# KiCad board panel.kicad_pcb (continued)
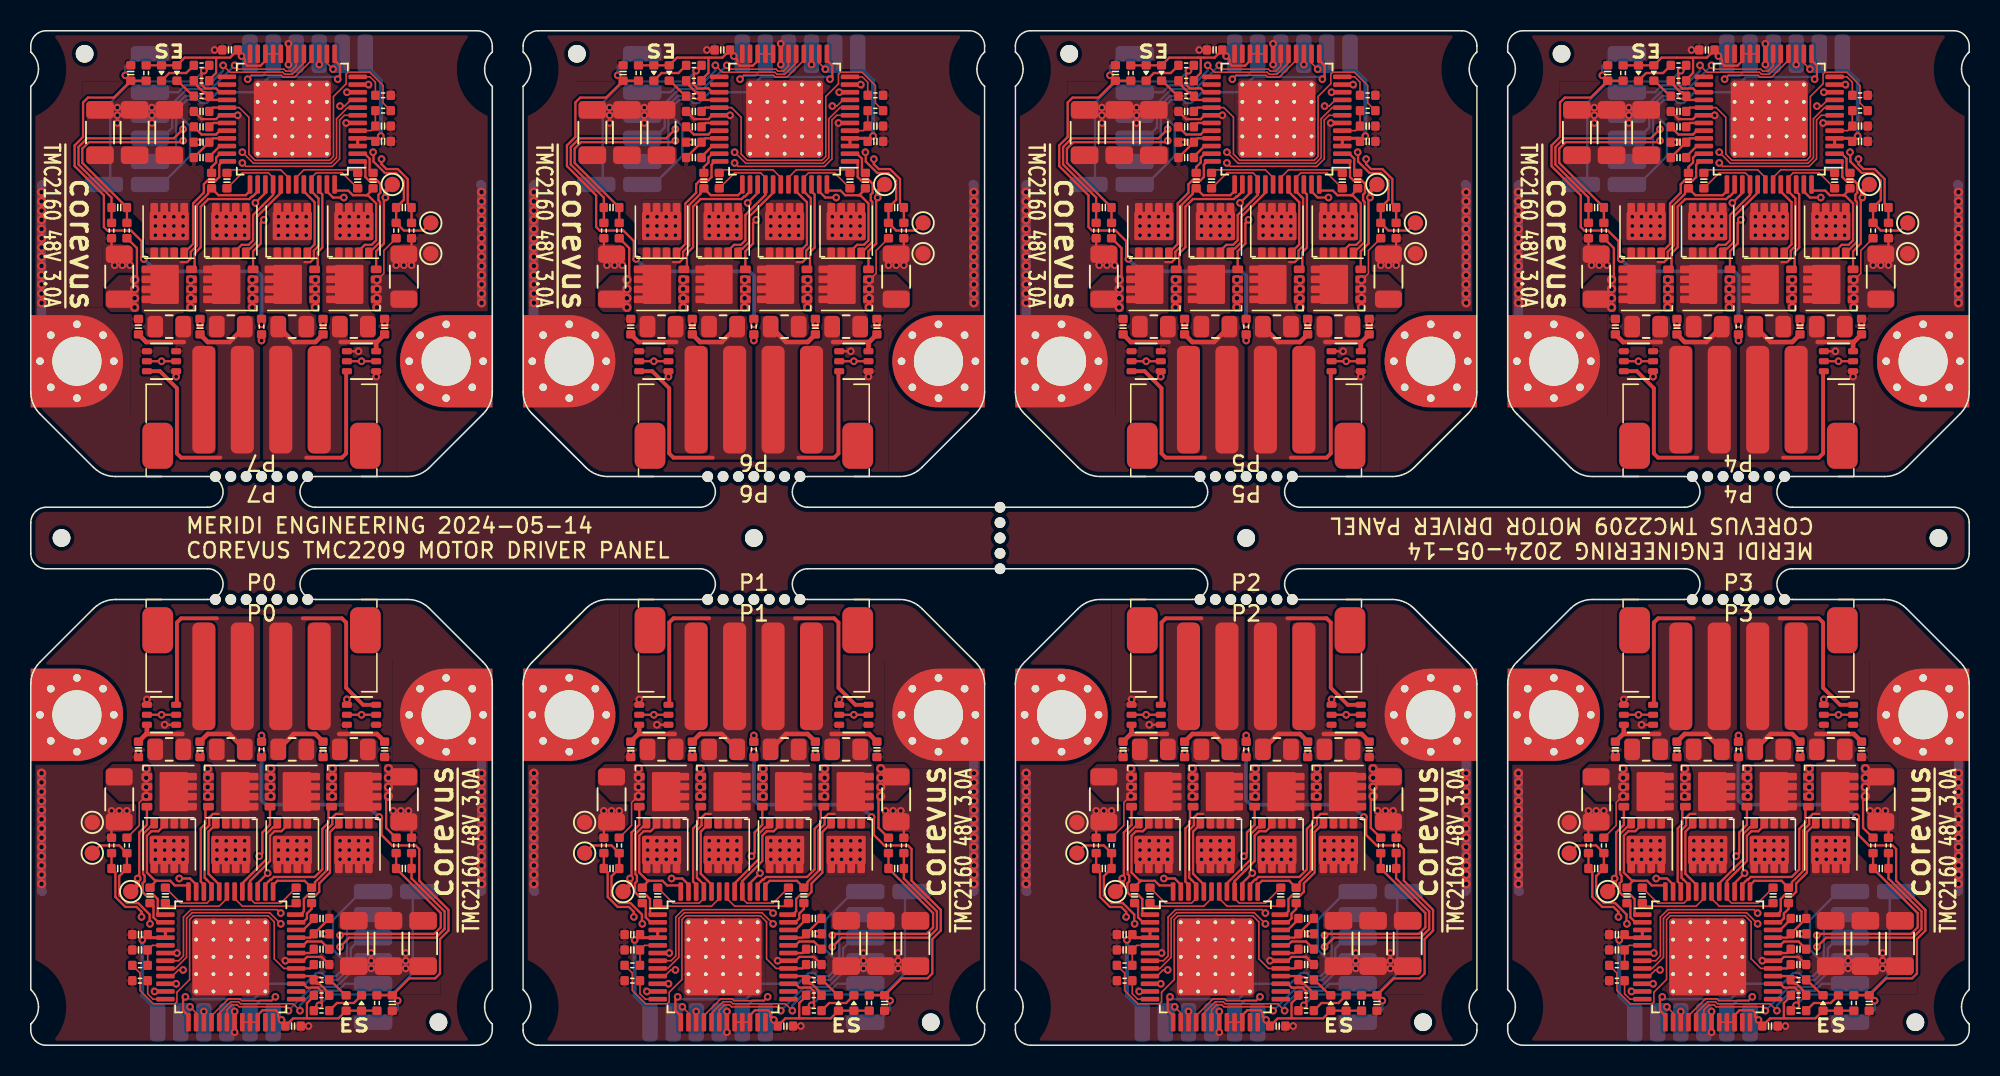
[diagram p0: board, top side]
## Nets (continued)
Board_7-+12V: C6#8.1 T3#4.1 U1.3 U1.4
Board_7-+48V: C1#2.2 C7#8.1 C12.1 C14#2.1 C15.1 D3#4.2 D3#4.5 D4#3.2 D4#3.5 H1#3.1 Q1.5 Q1.6 Q1.7 Q1.8 Q3#4.5 Q3#4.6 Q3#4.7 Q3#4.8 Q5#8.5 Q5#8.6 Q5#8.7 Q5#8.8 Q7.5 Q7.6 Q7.7 Q7.8 U1.33
Board_7-/A1: C10.2 FB2#4.2 Q5#8.1 Q5#8.2 Q5#8.3 Q6#6.5 Q6#6.6 Q6#6.7 Q6#6.8 U1.40
Board_7-/A1': C17.2 D4#3.6 FB2#4.1 J1#3.2
Board_7-/A2: C11#3.2 FB1#5.2 Q7.1 Q7.2 Q7.3 Q8#4.5 Q8#4.6 Q8#4.7 Q8#4.8 U1.37
Board_7-/A2': C16.2 D4#3.3 FB1#5.1 J1#3.1
Board_7-/B1: C8.2 FB4#4.2 Q1.1 Q1.2 Q1.3 Q2#8.5 Q2#8.6 Q2#8.7 Q2#8.8 U1.48
Board_7-/B1': C19#2.2 D3#4.3 FB4#4.1 J1#3.4
Board_7-/B2: C9#3.2 FB3#2.2 Q3#4.1 Q3#4.2 Q3#4.3 Q4#8.5 Q4#8.6 Q4#8.7 Q4#8.8 U1.45
Board_7-/B2': C18#3.2 D3#4.6 FB3#2.1 J1#3.3
Board_7-/Clk: R3#2.1 U1.12
Board_7-/Diag0: U1.26
Board_7-/Diag1: R16#5.2 T17#3.1 U1.27
Board_7-/Dir: T13#6.1 U1.18
Board_7-/HA1: Q5#8.4 U1.41
Board_7-/HA2: Q7.4 U1.36
Board_7-/HB1: Q1.4 U1.1
Board_7-/HB2: Q3#4.4 U1.44
Board_7-/LA1: Q6#6.4 U1.39
Board_7-/LA2: Q8#4.4 U1.38
Board_7-/LB1: Q2#8.4 TP3#8.1 U1.47
Board_7-/LB2: Q4#8.4 U1.46
Board_7-/SCK: T4#3.1 U1.14
Board_7-/SDI: T6#4.1 U1.15
Board_7-/SDO: T7.1 U1.16
Board_7-/SRAH: C21#7.2 R11#4.2 U1.8
Board_7-/SRAL: C21#7.1 R12.2 U1.7
Board_7-/SRBH: C20#5.2 R8#7.2 TP4#6.1 U1.9
Board_7-/SRBL: C20#5.1 R9#3.2 U1.10
Board_7-/Step: T11#7.1 U1.17
Board_7-/THERM: C13#5.1 R20#4.1 T9#2.1 TH1#2.1
Board_7-/~{CS}: T10#3.1 U1.13
Board_7-/~{En}: R1#4.2 R2#6.2 T14#3.1 U1.28
Board_7-GND: C3#7.1 C4.1 C5#4.1 C6#8.2 C7#8.2 C12.2 C13#5.2 C14#2.2 C15.2 C16.1 C17.1 C18#3.1 C19#2.1 D3#4.1 D3#4.4 D4#3.1 D4#3.4 H2#8.1 R3#2.2 R9#3.1 R10#4.2 R12.1 R13#6.2 T5#2.1 T12#4.1 TH1#2.2 TP2#8.1 U1.6 U1.11 U1.19 U1.30 U1.49
Board_7-Net-(D1-K): D1#8.1 R1#4.1
Board_7-Net-(D2-K): D2#4.1 R16#5.1
Board_7-Net-(Q2-S-Pad1): Q2#8.1 Q2#8.2 Q2#8.3 Q4#8.1 Q4#8.2 Q4#8.3 R8#7.1 R10#4.1
Board_7-Net-(Q6-S-Pad1): Q6#6.1 Q6#6.2 Q6#6.3 Q8#4.1 Q8#4.2 Q8#4.3 R11#4.1 R13#6.1
Board_7-Net-(U1-5VOUT): C4.2 R4#5.1 U1.5
Board_7-Net-(U1-CA1): C10.1 U1.42
Board_7-Net-(U1-CA2): C11#3.1 U1.35
Board_7-Net-(U1-CB1): C8.1 U1.2
Board_7-Net-(U1-CB2): C9#3.1 U1.43
Board_7-Net-(U1-CPI): C2.2 U1.32
Board_7-Net-(U1-CPO): C2.1 U1.31
Board_7-Net-(U1-VCC): C5#4.2 R4#5.2 U1.29
Board_7-Net-(U1-VCP): C1#2.1 U1.34
Board_7-unconnected-(U1-DCEN_CFG4-Pad23): U1.23
Board_7-unconnected-(U1-DCIN_CFG5-Pad24): U1.24
Board_7-unconnected-(U1-DCO_CFG6-Pad25): U1.25
Board_7-VCC: C3#7.2 D1#8.2 D2#4.2 R2#6.1 R20#4.2 T8#4.1 U1.20 U1.21 U1.22

Pads without a net: J1 5 6; J1#2 5 6; J1#3 5 6; J1#4 5 6; J1#5 5 6; J1#6 5 6; J1#7 5 6; J1#8 5 6

## Via types
v1: diameter 0.5, hole 0.25, Top to Bottom, 808 vias
v2: diameter 0.6, hole 0.3, Top to Bottom, 368 vias

## Routing (per net, layer and track width the routed paths; a pad name or vN(x,y) marks a point on that pad's centre or on a via; arc(x,y) is an arc through that point)
Board_0-+12V: length 8
  Top w0.2: U1#8.3 U1#8.4 7.8,7 C6#6.1 v1(7.25,6.85)
  Bottom w0.25: v1(7.25,6.85) 7.25,3.25 8.25,2.25 T3#7.1
Board_0-+48V: length 6.5
  Top w0.15: D3#7.5 v1(8.5,21.5) D3#7.2 ; U1#8.33 18.15,7 C7.1 C1.2 ; D4#6.2 v1(21.5,21.5) D4#6.5
  vias: v1(8.1,13.3) v1(8.1,12.7) v1(8.1,12.1) v1(8.7,13.3) v1(8.7,12.7) v1(8.7,12.1) v1(9.3,13.3) v1(9.3,12.7) v1(9.3,12.1) v1(9.9,13.3) v1(9.9,12.7) v1(9.9,12.1) v1(12.1,13.3) v1(12.1,12.7) v1(12.1,12.1) v1(12.7,13.3) v1(12.7,12.7) v1(12.7,12.1) v1(13.3,13.3) v1(13.3,12.7) v1(13.3,12.1) v1(13.9,13.3) v1(13.9,12.7) v1(13.9,12.1) v1(16.1,13.3) v1(16.1,12.7) v1(16.1,12.1) v1(16.7,13.3) v1(16.7,12.7) v1(16.7,12.1) v1(17.3,13.3) v1(17.3,12.7) v1(17.3,12.1) v1(17.9,13.3) v1(17.9,12.7) v1(17.9,12.1) v1(20.1,13.3) v1(20.1,12.7) v1(20.1,12.1) v1(20.7,13.3) v1(20.7,12.7) v1(20.7,12.1) v1(21.3,13.3) v1(21.3,12.7) v1(21.3,12.1) v1(21.9,13.3) v1(21.9,12.7) v1(21.9,12.1)
Board_0-/A1: length 9.7
  Top w0.1: U1#8.40 14.25,9.55 14.55,9.25 16.25,9.25 C10#5.2
  Top w0.15: Q5#5.3 16.67,14.31 16.29,13.92 15.84,13.92 15.55,13.64 15.55,11.99 14.95,11.39 14.95,11.38 14.25,10.68 U1#8.40
Board_0-/A1': length 13.1
  Top w0.25: D4#6.6 21.6,22.15 21.05,22.7 21.05,22.71 20.5,23.26 20.5,27.5 20.22,27.77 17.67,27.77
  Top w0.3: FB2#6.1 17.09,20.25 18.5,20.25 C17#2.2
Board_0-/A2: length 9.1
  Top w0.15: U1#8.37 15.75,10.42 16.03,10.7 17.8,10.7 C11#7.2 18.47,10.47 18.47,10.61 19.2,11.34 19.2,13.98 19.6,14.38 19.6,14.82 19.83,15.05 20.25,15.05
Board_0-/A2': length 3.2
  Top w0.3: C16#4.2 22.5,20.25 20.05,20.25
Board_0-/B1: length 7.7
  Top w0.15: 8.2,10.7 8.15,10.7 7.75,10.3 C8#8.2 ; 8.2,10.7 8.09,10.7 7.55,11.24 7.55,13.64 7.84,13.92 8.29,13.92 8.67,14.31 Q1#4.3 ; 8.2,10.7 9.06,10.7 9.36,10.4 10.25,10.4
Board_0-/B1': length 3.7
  Top w0.3: C19#8.2 7.5,20.25 9.85,20.25 ; D3#7.3 7.55,20.25
Board_0-/B2: length 9.8
  Top w0.1: C9.2 9.75,9.25 11.45,9.25 11.75,9.55 U1#8.45
  Top w0.15: U1#8.45 11.75,10.45 11.43,10.77 11.42,10.77 11.3,10.9 11.3,14 11.6,14.3 11.6,14.81 11.84,15.05 12.2,15.05
Board_0-/B2': length 11.6
  Top w0.25: D3#7.6 9.5,22.2 9.5,27.5 9.78,27.77 12.1,27.77
  Top w0.3: FB3#3.1 12.91,20.25 11.5,20.25 C18.2
Board_0-/Clk: length 2.1
  Top w0.1: U1#8.12 7.95,3 7.6,3.35 R3.1
Board_0-/Diag1: length 15.8
  Top w0.15: R16#4.2 v1(18.75,2.6) 18.9,2.75 18.9,3.52 18.67,3.75 17.96,3.75 17.71,4 U1#8.27
  Bottom w0.15: v1(18.75,2.6) 19.45,3.3 23.45,3.3 24.83,4.67 24.83,9.57 T17#6.1
Board_0-/Dir: length 13.5
  Top w0.1: v1(16.75,2.25) 16.5,2.5 13.55,2.5 13.43,2.62 13.07,2.62 12.75,2.3 U1#8.18
  Bottom w0.15: T13#7.1 21.5,7 20.8,6.3 20.8,4.74 19.86,3.8 18.3,3.8 v1(16.75,2.25)
Board_0-/HA1: length 5.2
  Top w0.15: U1#8.41 13.75,10.54 14.7,11.49 14.7,11.49 15.3,12.09 15.3,13.74 15.74,14.17 15.94,14.17
Board_0-/HA2: length 7.6
  Top w0.15: Q7#2.4 19.45,13.87 19.45,11.23 18.75,10.53 18.75,9.98 18.52,9.75 17.98,9.75 17.75,9.52 17.75,8.72 17.53,8.5 U1#8.36
Board_0-/HB1: length 7.1
  Top w0.15: 8.25,8.5 8.25,9.51 8.01,9.75 7.49,9.75 7.28,9.96 7.28,10.54 7.4,10.66 7.4,11.03 7.3,11.13 7.3,13.74 8.01,14.45 Q1#4.4
Board_0-/HB2: length 4.8
  Top w0.15: 12,14.35 11.55,13.9 11.55,11.15 12.25,10.45 U1#8.44
Board_0-/LA1: length 6.3
  Top w0.15: Q6#8.4 15.55,14.34 15.05,13.84 15.05,12.5 v1(14.85,12.3) ; v1(15.4,11.2) 14.75,10.55 U1#8.39
  In2.Cu w0.15: v1(15.4,11.2) 15.4,11.75 v1(14.85,12.3)
Board_0-/LA2: length 8.9
  Top w0.15: U1#8.38 15.25,10.45 15.42,10.63 15.42,10.63 15.57,10.77 15.62,10.77 15.8,10.95 18.46,10.95 18.95,11.44 18.95,14.08 19.35,14.48 19.35,15.32 Q8#3.4
Board_0-/LB1: length 10.5
  Top w0.15: Q2#4.4 7.55,14.34 7.05,13.84 7.05,10.95 v1(6.95,10.85) ; v1(9.65,10.85) 10.35,10.85 10.75,10.45 U1#8.47
  Top w0.3: v1(6.95,10.85) 6.95,10.45 TP3#4.1
  In2.Cu w0.15: 6.95,10.7 v1(6.95,10.85) v1(9.65,10.85)
Board_0-/LB2: length 5.8
  Top w0.15: U1#8.46 11.25,10.45 11.05,10.65 11.05,14.11 11.35,14.41 11.35,15.32 Q4#6.4
Board_0-/SCK: length 2.3
  Top w0.1: U1#8.14 10.75,2.1 v1(10.35,2.5)
  Bottom w0.5: 9.95,2.1 v1(10.35,2.5) 9.8,2.5
Board_0-/SDI: length 0.7
  Top w0.15: U1#8.15 v1(11.25,2.2)
Board_0-/SDO: length 8
  Top w0.1: v1(15.9,3.15) 15.65,2.9 13.72,2.9 13.59,3.02 12.85,3.02 11.75,1.92 U1#8.16
  Bottom w0.15: v1(15.9,3.15) 15.67,2.92 14.92,2.92 14.25,2.25 T7#4.1
Board_0-/SRAH: length 27.9
  Top w0.1: v1(16.25,7.9) 15.53,8.62 10.49,8.62 10.12,8.26 10.12,5.72 9.4,5 U1#8.8
  Top w0.15: R11#7.2 C21#8.2 26.65,8.6 26.65,7.67 26.23,7.25 20.2,7.25 v1(20.1,7.15)
  In2.Cu w0.15: v1(20.1,7.15) 20.1,7.43 19.63,7.9 v1(16.25,7.9)
Board_0-/SRAL: length 29.5
  Top w0.1: v1(16.25,8.6) 16.03,8.82 10.41,8.82 9.92,8.34 9.92,5.81 9.62,5.5 U1#8.7
  Top w0.15: v1(20.1,6.4) 20.7,7 26.34,7 26.9,7.56 26.9,8.7 24.75,10.85 C21#8.1 R12#6.2
  In2.Cu w0.15: v1(20.1,6.4) 20.55,6.85 20.55,7.34 19.74,8.15 16.7,8.15 v1(16.25,8.6)
Board_0-/SRBH: length 14.4
  Top w0.1: v1(9.9,4.9) 9.6,4.9 9.2,4.5 U1#8.9
  Top w0.15: v1(7.75,7.9) 7.72,7.92 7.72,8.51 6.98,9.25 6.25,9.25 5.75,9.75 5.75,11 C20#7.2 R8#6.2 5.75,13 4.5,13 TP4#7.1
  In2.Cu w0.1: v1(9.9,4.9) 9.13,4.9 9.05,4.98 9.05,6.28 7.75,7.58 v1(7.75,7.9)
Board_0-/SRBL: length 11.4
  Top w0.1: v1(9.45,4) U1#8.10
  Top w0.15: v1(7.2,8.35) 7.2,8.68 6.88,9 6.15,9 5.5,9.65 5.5,11.25 C20#7.1 R9#4.2
  In2.Cu w0.1: v1(7.2,8.35) 7.2,7.85 8.85,6.2 8.85,4.9 9.45,4.3 v1(9.45,4)
Board_0-/Step: length 12.1
  Top w0.1: U1#8.17 12.25,2.08 12.99,2.82 13.51,2.82 13.63,2.7 17.05,2.7 v1(17.5,2.25)
  Bottom w0.15: T11#2.1 20.42,4 19.97,3.55 18.45,3.55 17.5,2.6 v1(17.5,2.25)
Board_0-/THERM: length 32.5
  Top w0.15: v1(22.65,14.85) 22.8,14.7 22.8,13.68 23.48,13 25.02,13 25.25,12.77 25.25,10.71 27.15,8.81 27.15,7.46 26.6,6.91 26.6,4.67 26.28,4.35 24.6,4.35 C13#2.1 ; C13#2.1 R20#5.1 ; C13#2.1 v1(23.85,2.9)
  Top w0.25: TH1#7.1 v1(15,19.1)
  Bottom w0.15: v1(23.85,2.9) 23.85,2.35 23,1.5 T9#8.1
  Bottom w0.25: v1(15,19.1) 15,15.95 15.3,15.65 21.85,15.65 v1(22.65,14.85)
Board_0-/~{CS}: length 19.8
  Top w0.15: v1(10.05,3.15) 9.9,3 9.9,2.26 10.16,2 10.25,2
  Bottom w0.15: v1(10.05,3.15) 10.2,3 14.51,3 14.75,3.24 14.75,3.64 15.11,4 17.86,4 18.56,4.7 18.94,4.7 19.14,4.5 19.86,4.5 20.3,4.94 20.3,5.56 19.65,6.21 19.65,8.15 21.5,10 T10#4.1
Board_0-/~{En}: length 10.3
  Top w0.15: U1#8.28 18.5,4.5 v1(18.75,4.25) R1.2 18.65,4 18.77,4 19.2,3.57 19.2,3.45 R2#8.2
  Bottom w0.15: T14#2.1 21.45,8.5 20.55,7.6 20.55,4.84 19.96,4.25 v1(18.75,4.25)
Board_0-GND: length 30.1
  Top w0.1: U1#8.6 v1(9.5,6) ; C7.2 v1(19.05,7.25)
  Top w0.15: R9#4.1 5.25,14.04 R10.2 ; 24.75,13.52 24.75,14.04 R13#3.2 23.75,14.04 ; D3#7.4 v1(8.7,20.85) ; 19.38,5.25 C5#2.1 18.9,5.75 17.96,5.75 17.71,5.5 U1#8.30 v1(16.55,5.5) ; C3#5.1 v1(18.05,1.25) ; D4#6.1 v1(20.55,22.5) ; U1#8.19 v1(13.25,2.2) ; D3#7.1 v1(7.55,22.5)
  Top w0.2: U1#8.11 v1(8.05,3.5)
  Top w0.25: TH1#7.2 v1(15,20.15)
  Top w0.3: C19#8.1 v1(7,19.1) ; C18.1 v1(11,19.1) ; C17#2.1 v1(19,19.1)
  Bottom w0.6: H2.1 29.3,19.2 v2(29.3,17.7) v2(29.3,11.1) v2(29.3,10.5) 29.3,10.05 29.25,10 ; v2(0.7,17.7) v2(0.7,11.1) v2(0.7,10.5) 0.7,10.05 0.75,10
  vias: v1(5.25,15.25) v1(5.75,15.25) v1(6.25,15.25) v1(13.25,0.85) v1(22.12,6) v1(22.12,5.5) v1(22.12,5) v1(23.55,15.25) v1(24.05,15.25) v1(24.38,6) v1(24.38,5.5) v1(24.38,5) v1(24.55,15.25) v2(0.7,17.1) v2(0.7,16.5) v2(0.7,15.9) v2(0.7,15.3) v2(0.7,14.7) v2(0.7,14.1) v2(0.7,13.5) v2(0.7,12.9) v2(0.7,12.3) v2(0.7,11.7) v2(29.3,17.1) v2(29.3,16.5) v2(29.3,15.9) v2(29.3,15.3) v2(29.3,14.7) v2(29.3,14.1) v2(29.3,13.5) v2(29.3,12.9) v2(29.3,12.3) v2(29.3,11.7)
Board_0-Net-(D1-K): length 1.5
  Top w0.15: 20.45,3.25 19.45,4.25 R1.1
Board_0-Net-(D2-K): length 2.5
  Top w0.15: D2#8.1 21,2.75 19.9,2.75 R16#4.1
Board_0-Net-(Q2-S-Pad1): length 3.3
  Top w0.1: Q2#4.3 7.44,16.17 7.05,15.78 7.05,14.3 R8#6.1
  vias: v2(7.5,18) v2(7.5,17.4) v2(7.5,16.8) v2(7.5,16.2) v2(11.5,18) v2(11.5,17.4) v2(11.5,16.8) v2(11.5,16.2)
Board_0-Net-(Q6-S-Pad1): length 3
  Top w0.15: v2(23.25,16.2) 23.1,16.05 23.1,14.14 23.74,13.5
  vias: v2(15.6,18) v2(15.6,17.4) v2(15.6,16.8) v2(15.6,16.2) v2(19.6,18) v2(19.6,17.4) v2(19.6,16.8) v2(19.6,16.2) v2(23.25,18) v2(23.25,17.4) v2(23.25,16.8)
Board_0-Net-(U1-5VOUT): length 2.3
  Top w0.1: R4#6.1 C4#5.2 7.9,6.5 U1#8.5
Board_0-Net-(U1-CA1): length 4.7
  Top w0.1: C10#5.1 17.05,9.05 13.75,9.05 13.25,9.55 U1#8.42
Board_0-Net-(U1-CA2): length 1.9
  Top w0.15: U1#8.35 17.7,8 17.95,8.25 17.95,8.57 18.25,8.87 C11#7.1
Board_0-Net-(U1-CB1): length 1.9
  Top w0.15: C8#8.1 7.97,9.02 7.97,8.32 8.3,8 U1#8.2
Board_0-Net-(U1-CB2): length 4.7
  Top w0.1: U1#8.43 12.75,9.55 12.25,9.05 8.95,9.05 C9.1
Board_0-Net-(U1-CPI): length 2.5
  Top w0.15: C2#7.2 18.9,6.75 17.96,6.75 17.71,6.5 U1#8.32
Board_0-Net-(U1-CPO): length 1.3
  Top w0.15: C2#7.1 18.15,6 U1#8.31
Board_0-Net-(U1-VCC): length 21.4
  Top w0.1: R4#6.2 7.1,4.7 7.1,3.57 7.97,2.7 9.37,2.7 9.5,2.83 9.5,3.45 10.33,4.27 10.33,8.18 10.57,8.42 15.43,8.42 15.83,8.03 15.83,5.62 16.45,5 U1#8.29
  Top w0.15: U1#8.29 18.15,5 C5#2.2
Board_0-Net-(U1-VCP): length 1.5
  Top w0.15: U1#8.34 17.71,7.5 18.4,8.19 C1.1
Board_0-VCC: length 12.7
  Top w0.1: U1#8.20 U1#8.21 U1#8.22
  Top w0.15: R20#5.2 D2#8.2 D1.2 20,1.75 17.05,1.75 C3#5.2 16.55,1.4 v1(16.3,1.65) 16.08,1.87 16.08,2.13 15.93,2.27 15.07,2.27 14.75,1.96 U1#8.22 ; 17.95,1.75 17.95,2.74 18.4,3.19 R2#8.1
  Bottom w0.15: v1(16.3,1.65) 15.9,1.65 T8#3.1
Board_1-+12V: length 8
  Top w0.2: U1#4.3 U1#4.4 39.8,7 C6#5.1 v1(39.25,6.85)
  Bottom w0.25: T3#6.1 40.25,2.25 39.25,3.25 v1(39.25,6.85)
Board_1-+48V: length 6.5
  Top w0.15: U1#4.33 50.15,7 C7#7.1 C1#8.2 ; D3#5.5 v1(40.5,21.5) D3#5.2 ; D4#7.2 v1(53.5,21.5) D4#7.5
  vias: v1(40.1,13.3) v1(40.1,12.7) v1(40.1,12.1) v1(40.7,13.3) v1(40.7,12.7) v1(40.7,12.1) v1(41.3,13.3) v1(41.3,12.7) v1(41.3,12.1) v1(41.9,13.3) v1(41.9,12.7) v1(41.9,12.1) v1(44.1,13.3) v1(44.1,12.7) v1(44.1,12.1) v1(44.7,13.3) v1(44.7,12.7) v1(44.7,12.1) v1(45.3,13.3) v1(45.3,12.7) v1(45.3,12.1) v1(45.9,13.3) v1(45.9,12.7) v1(45.9,12.1) v1(48.1,13.3) v1(48.1,12.7) v1(48.1,12.1) v1(48.7,13.3) v1(48.7,12.7) v1(48.7,12.1) v1(49.3,13.3) v1(49.3,12.7) v1(49.3,12.1) v1(49.9,13.3) v1(49.9,12.7) v1(49.9,12.1) v1(52.1,13.3) v1(52.1,12.7) v1(52.1,12.1) v1(52.7,13.3) v1(52.7,12.7) v1(52.7,12.1) v1(53.3,13.3) v1(53.3,12.7) v1(53.3,12.1) v1(53.9,13.3) v1(53.9,12.7) v1(53.9,12.1)
Board_1-/A1: length 9.7
  Top w0.1: U1#4.40 46.25,9.55 46.55,9.25 48.25,9.25 C10#3.2
  Top w0.15: U1#4.40 46.25,10.68 46.95,11.38 46.95,11.39 47.55,11.99 47.55,13.64 47.84,13.92 48.29,13.92 48.68,14.31 Q5#2.3
Board_1-/A1': length 13.1
  Top w0.25: D4#7.6 53.6,22.15 53.05,22.7 53.05,22.71 52.5,23.26 52.5,27.5 52.22,27.77 49.68,27.77
  Top w0.3: C17#8.2 50.5,20.25 49.09,20.25 FB2#7.1
Board_1-/A2: length 9.1
  Top w0.15: U1#4.37 47.75,10.42 48.03,10.7 49.8,10.7 C11.2 50.47,10.47 50.47,10.61 51.2,11.34 51.2,13.98 51.6,14.38 51.6,14.82 51.83,15.05 52.25,15.05
Board_1-/A2': length 3.2
  Top w0.3: C16#8.2 54.5,20.25 52.05,20.25
Board_1-/B1: length 7.7
  Top w0.15: C8#3.2 39.75,10.3 40.15,10.7 40.2,10.7 ; 40.2,10.7 41.06,10.7 41.36,10.4 42.25,10.4 ; 40.2,10.7 40.09,10.7 39.55,11.24 39.55,13.64 39.84,13.92 40.29,13.92 40.67,14.31 Q1#6.3
Board_1-/B1': length 3.7
  Top w0.3: D3#5.3 39.55,20.25 ; C19.2 39.5,20.25 41.85,20.25
Board_1-/B2: length 9.8
  Top w0.1: C9#4.2 41.75,9.25 43.45,9.25 43.75,9.55 U1#4.45
  Top w0.15: U1#4.45 43.75,10.45 43.43,10.77 43.43,10.77 43.3,10.9 43.3,14 43.6,14.3 43.6,14.81 43.84,15.05 44.2,15.05
Board_1-/B2': length 11.6
  Top w0.25: D3#5.6 41.5,22.2 41.5,27.5 41.78,27.77 44.1,27.77
  Top w0.3: C18#8.2 43.5,20.25 44.91,20.25 FB3.1
Board_1-/Clk: length 2.1
  Top w0.1: U1#4.12 39.95,3 39.6,3.35 R3#5.1
Board_1-/Diag1: length 15.8
  Top w0.15: R16#6.2 v1(50.75,2.6) 50.9,2.75 50.9,3.52 50.67,3.75 49.96,3.75 49.71,4 U1#4.27
  Bottom w0.15: v1(50.75,2.6) 51.45,3.3 55.45,3.3 56.82,4.67 56.82,9.57 T17.1
Board_1-/Dir: length 13.5
  Top w0.1: v1(48.75,2.25) 48.5,2.5 45.55,2.5 45.43,2.62 45.07,2.62 44.75,2.3 U1#4.18
  Bottom w0.15: T13#8.1 53.5,7 52.8,6.3 52.8,4.74 51.86,3.8 50.3,3.8 v1(48.75,2.25)
Board_1-/HA1: length 5.2
  Top w0.15: U1#4.41 45.75,10.54 46.7,11.49 46.7,11.49 47.3,12.09 47.3,13.74 47.74,14.17 47.94,14.17
Board_1-/HA2: length 7.6
  Top w0.15: Q7#8.4 51.45,13.87 51.45,11.23 50.75,10.53 50.75,9.98 50.52,9.75 49.98,9.75 49.75,9.52 49.75,8.72 49.53,8.5 U1#4.36
Board_1-/HB1: length 7.1
  Top w0.15: Q1#6.4 40.01,14.45 39.3,13.74 39.3,11.13 39.4,11.03 39.4,10.66 39.28,10.54 39.28,9.96 39.49,9.75 40.01,9.75 40.25,9.51 40.25,8.5
Board_1-/HB2: length 4.8
  Top w0.15: 44,14.35 43.55,13.9 43.55,11.15 44.25,10.45 U1#4.44
Board_1-/LA1: length 6.3
  Top w0.15: Q6#7.4 47.55,14.34 47.05,13.84 47.05,12.5 v1(46.85,12.3) ; U1#4.39 46.75,10.55 v1(47.4,11.2)
  In2.Cu w0.15: v1(47.4,11.2) 47.4,11.75 v1(46.85,12.3)
Board_1-/LA2: length 8.9
  Top w0.15: U1#4.38 47.25,10.45 47.43,10.63 47.43,10.63 47.57,10.77 47.62,10.77 47.8,10.95 50.46,10.95 50.95,11.44 50.95,14.08 51.35,14.48 51.35,15.32 Q8#8.4
Board_1-/LB1: length 10.5
  Top w0.15: v1(38.95,10.85) 39.05,10.95 39.05,13.84 39.55,14.34 Q2#3.4 ; v1(41.65,10.85) 42.35,10.85 42.75,10.45 U1#4.47
  Top w0.3: v1(38.95,10.85) 38.95,10.45 TP3#6.1
  In2.Cu w0.15: v1(41.65,10.85) v1(38.95,10.85) 38.95,10.7
Board_1-/LB2: length 5.8
  Top w0.15: U1#4.46 43.25,10.45 43.05,10.65 43.05,14.11 43.35,14.41 43.35,15.32 Q4#4.4
Board_1-/SCK: length 2.3
  Top w0.1: U1#4.14 42.75,2.1 v1(42.35,2.5)
  Bottom w0.5: 41.8,2.5 v1(42.35,2.5) 41.95,2.1
Board_1-/SDI: length 0.7
  Top w0.15: U1#4.15 v1(43.25,2.2)
Board_1-/SDO: length 8
  Top w0.1: v1(47.9,3.15) 47.65,2.9 45.72,2.9 45.59,3.02 44.85,3.02 43.75,1.92 U1#4.16
  Bottom w0.15: v1(47.9,3.15) 47.68,2.92 46.93,2.92 46.25,2.25 T7#3.1
Board_1-/SRAH: length 27.9
  Top w0.1: v1(48.25,7.9) 47.53,8.62 42.49,8.62 42.12,8.26 42.12,5.72 41.4,5 U1#4.8
  Top w0.15: v1(52.1,7.15) 52.2,7.25 58.23,7.25 58.65,7.67 58.65,8.6 C21#2.2 R11#5.2
  In2.Cu w0.15: v1(48.25,7.9) 51.63,7.9 52.1,7.43 v1(52.1,7.15)
Board_1-/SRAL: length 29.5
  Top w0.1: v1(48.25,8.6) 48.03,8.82 42.41,8.82 41.92,8.34 41.92,5.81 41.62,5.5 U1#4.7
  Top w0.15: R12#7.2 C21#2.1 56.75,10.85 58.9,8.7 58.9,7.56 58.34,7 52.7,7 v1(52.1,6.4)
  In2.Cu w0.15: v1(48.25,8.6) 48.7,8.15 51.74,8.15 52.55,7.34 52.55,6.85 v1(52.1,6.4)
Board_1-/SRBH: length 14.4
  Top w0.1: U1#4.9 41.2,4.5 41.6,4.9 v1(41.9,4.9)
  Top w0.15: v1(39.75,7.9) 39.72,7.92 39.72,8.51 38.98,9.25 38.25,9.25 37.75,9.75 37.75,11 C20#6.2 R8.2 37.75,13 36.5,13 TP4#4.1
  In2.Cu w0.1: v1(41.9,4.9) 41.13,4.9 41.05,4.98 41.05,6.28 39.75,7.58 v1(39.75,7.9)
Board_1-/SRBL: length 11.4
  Top w0.1: v1(41.45,4) U1#4.10
  Top w0.15: R9#7.2 C20#6.1 37.5,11.25 37.5,9.65 38.15,9 38.88,9 39.2,8.68 v1(39.2,8.35)
  In2.Cu w0.1: v1(41.45,4) 41.45,4.3 40.85,4.9 40.85,6.2 39.2,7.85 v1(39.2,8.35)
Board_1-/Step: length 12.1
  Top w0.1: v1(49.5,2.25) 49.05,2.7 45.63,2.7 45.51,2.82 44.99,2.82 44.25,2.08 U1#4.17
  Bottom w0.15: v1(49.5,2.25) 49.5,2.6 50.45,3.55 51.97,3.55 52.42,4 T11#5.1
Board_1-/THERM: length 32.5
  Top w0.15: v1(55.85,2.9) C13.1 ; C13.1 R20#7.1 ; C13.1 56.6,4.35 58.28,4.35 58.6,4.67 58.6,6.91 59.15,7.46 59.15,8.81 57.25,10.71 57.25,12.77 57.02,13 55.48,13 54.8,13.68 54.8,14.7 v1(54.65,14.85)
  Top w0.25: TH1#6.1 v1(47,19.1)
  Bottom w0.15: v1(55.85,2.9) 55.85,2.35 55,1.5 T9#6.1
  Bottom w0.25: v1(54.65,14.85) 53.85,15.65 47.3,15.65 47,15.95 v1(47,19.1)
Board_1-/~{CS}: length 19.8
  Top w0.15: v1(42.05,3.15) 41.9,3 41.9,2.26 42.16,2 42.25,2
  Bottom w0.15: T10.1 53.5,10 51.65,8.15 51.65,6.21 52.3,5.56 52.3,4.94 51.86,4.5 51.14,4.5 50.94,4.7 50.56,4.7 49.86,4 47.11,4 46.75,3.64 46.75,3.24 46.51,3 42.2,3 v1(42.05,3.15)
Board_1-/~{En}: length 10.3
  Top w0.15: U1#4.28 50.5,4.5 v1(50.75,4.25) R1#8.2 50.65,4 50.77,4 51.2,3.57 51.2,3.45 R2.2
  Bottom w0.15: v1(50.75,4.25) 51.96,4.25 52.55,4.84 52.55,7.6 53.45,8.5 T14#7.1
Board_1-GND: length 30.1
  Top w0.1: U1#4.6 v1(41.5,6) ; C7#7.2 v1(51.05,7.25)
  Top w0.15: U1#4.19 v1(45.25,2.2) ; R9#7.1 37.25,14.04 R10#7.2 ; 56.75,13.52 56.75,14.04 R13#5.2 55.75,14.04 ; D4#7.1 v1(52.55,22.5) ; D3#5.4 v1(40.7,20.85) ; v1(48.55,5.5) U1#4.30 49.71,5.5 49.96,5.75 50.9,5.75 C5.1 51.38,5.25 ; D3#5.1 v1(39.55,22.5) ; C3#4.1 v1(50.05,1.25)
  Top w0.2: U1#4.11 v1(40.05,3.5)
  Top w0.25: TH1#6.2 v1(47,20.15)
  Top w0.3: C17#8.1 v1(51,19.1) ; C18#8.1 v1(43,19.1) ; C19.1 v1(39,19.1)
  Bottom w0.6: 61.25,10 61.3,10.05 v2(61.3,10.5) v2(61.3,11.1) v2(61.3,17.7) 61.3,19.2 H2#4.1 ; 32.75,10 32.7,10.05 v2(32.7,10.5) v2(32.7,11.1) v2(32.7,17.7)
  vias: v1(37.25,15.25) v1(37.75,15.25) v1(38.25,15.25) v1(45.25,0.85) v1(54.12,6) v1(54.12,5.5) v1(54.12,5) v1(55.55,15.25) v1(56.05,15.25) v1(56.38,6) v1(56.38,5.5) v1(56.38,5) v1(56.55,15.25) v2(32.7,17.1) v2(32.7,16.5) v2(32.7,15.9) v2(32.7,15.3) v2(32.7,14.7) v2(32.7,14.1) v2(32.7,13.5) v2(32.7,12.9) v2(32.7,12.3) v2(32.7,11.7) v2(61.3,17.1) v2(61.3,16.5) v2(61.3,15.9) v2(61.3,15.3) v2(61.3,14.7) v2(61.3,14.1) v2(61.3,13.5) v2(61.3,12.9) v2(61.3,12.3) v2(61.3,11.7)
Board_1-Net-(D1-K): length 1.5
  Top w0.15: R1#8.1 51.45,4.25 52.45,3.25
Board_1-Net-(D2-K): length 2.5
  Top w0.15: R16#6.1 51.9,2.75 53,2.75 D2#5.1
Board_1-Net-(Q2-S-Pad1): length 3.3
  Top w0.1: R8.1 39.05,14.3 39.05,15.78 39.44,16.17 Q2#3.3
  vias: v2(39.5,18) v2(39.5,17.4) v2(39.5,16.8) v2(39.5,16.2) v2(43.5,18) v2(43.5,17.4) v2(43.5,16.8) v2(43.5,16.2)
Board_1-Net-(Q6-S-Pad1): length 3
  Top w0.15: v2(55.25,16.2) 55.1,16.05 55.1,14.14 55.74,13.5
  vias: v2(47.6,18) v2(47.6,17.4) v2(47.6,16.8) v2(47.6,16.2) v2(51.6,18) v2(51.6,17.4) v2(51.6,16.8) v2(51.6,16.2) v2(55.25,18) v2(55.25,17.4) v2(55.25,16.8)
Board_1-Net-(U1-5VOUT): length 2.3
  Top w0.1: R4#8.1 C4#6.2 39.9,6.5 U1#4.5
Board_1-Net-(U1-CA1): length 4.7
  Top w0.1: C10#3.1 49.05,9.05 45.75,9.05 45.25,9.55 U1#4.42
Board_1-Net-(U1-CA2): length 1.9
  Top w0.15: C11.1 50.25,8.87 49.95,8.57 49.95,8.25 49.7,8 U1#4.35
Board_1-Net-(U1-CB1): length 1.9
  Top w0.15: U1#4.2 40.3,8 39.97,8.32 39.97,9.02 C8#3.1
Board_1-Net-(U1-CB2): length 4.7
  Top w0.1: U1#4.43 44.75,9.55 44.25,9.05 40.95,9.05 C9#4.1
Board_1-Net-(U1-CPI): length 2.5
  Top w0.15: U1#4.32 49.71,6.5 49.96,6.75 50.9,6.75 C2#6.2
Board_1-Net-(U1-CPO): length 1.3
  Top w0.15: U1#4.31 50.15,6 C2#6.1
Board_1-Net-(U1-VCC): length 21.4
  Top w0.1: U1#4.29 48.45,5 47.82,5.62 47.82,8.03 47.43,8.42 42.57,8.42 42.33,8.18 42.33,4.27 41.5,3.45 41.5,2.83 41.37,2.7 39.97,2.7 39.1,3.57 39.1,4.7 R4#8.2
  Top w0.15: C5.2 50.15,5 U1#4.29
Board_1-Net-(U1-VCP): length 1.5
  Top w0.15: C1#8.1 50.4,8.19 49.71,7.5 U1#4.34
Board_1-VCC: length 12.7
  Top w0.1: U1#4.22 U1#4.21 U1#4.20
  Top w0.15: U1#4.22 46.75,1.96 47.07,2.27 47.93,2.27 48.07,2.13 48.07,1.87 v1(48.3,1.65) 48.55,1.4 C3#4.2 49.05,1.75 52,1.75 D1#4.2 D2#5.2 R20#7.2 ; 49.95,1.75 49.95,2.74 50.4,3.19 R2.1
  Bottom w0.15: v1(48.3,1.65) 47.9,1.65 T8#8.1
Board_2-+12V: length 8
  Top w0.2: v1(71.25,6.85) C6#4.1 71.8,7 U1#3.4 U1#3.3
  Bottom w0.25: v1(71.25,6.85) 71.25,3.25 72.25,2.25 T3#8.1
Board_2-+48V: length 6.5
  Top w0.15: D4.2 v1(85.5,21.5) D4.5 ; U1#3.33 82.15,7 C7#5.1 C1#4.2 ; D3#8.2 v1(72.5,21.5) D3#8.5
  vias: v1(72.1,13.3) v1(72.1,12.7) v1(72.1,12.1) v1(72.7,13.3) v1(72.7,12.7) v1(72.7,12.1) v1(73.3,13.3) v1(73.3,12.7) v1(73.3,12.1) v1(73.9,13.3) v1(73.9,12.7) v1(73.9,12.1) v1(76.1,13.3) v1(76.1,12.7) v1(76.1,12.1) v1(76.7,13.3) v1(76.7,12.7) v1(76.7,12.1) v1(77.3,13.3) v1(77.3,12.7) v1(77.3,12.1) v1(77.9,13.3) v1(77.9,12.7) v1(77.9,12.1) v1(80.1,13.3) v1(80.1,12.7) v1(80.1,12.1) v1(80.7,13.3) v1(80.7,12.7) v1(80.7,12.1) v1(81.3,13.3) v1(81.3,12.7) v1(81.3,12.1) v1(81.9,13.3) v1(81.9,12.7) v1(81.9,12.1) v1(84.1,13.3) v1(84.1,12.7) v1(84.1,12.1) v1(84.7,13.3) v1(84.7,12.7) v1(84.7,12.1) v1(85.3,13.3) v1(85.3,12.7) v1(85.3,12.1) v1(85.9,13.3) v1(85.9,12.7) v1(85.9,12.1)
Board_2-/A1: length 9.7
  Top w0.1: U1#3.40 78.25,9.55 78.55,9.25 80.25,9.25 C10#8.2
  Top w0.15: U1#3.40 78.25,10.68 78.95,11.38 78.95,11.39 79.55,11.99 79.55,13.64 79.84,13.92 80.29,13.92 80.68,14.31 Q5#6.3
Board_2-/A1': length 13.1
  Top w0.25: D4.6 85.6,22.15 85.05,22.7 85.05,22.71 84.5,23.26 84.5,27.5 84.22,27.77 81.68,27.77
  Top w0.3: FB2#3.1 81.09,20.25 82.5,20.25 C17#4.2
Board_2-/A2: length 9.1
  Top w0.15: 84.25,15.05 83.83,15.05 83.6,14.82 83.6,14.38 83.2,13.98 83.2,11.34 82.47,10.61 82.47,10.47 C11#4.2 81.8,10.7 80.03,10.7 79.75,10.42 U1#3.37
Board_2-/A2': length 3.2
  Top w0.3: 84.05,20.25 86.5,20.25 C16#2.2
Board_2-/B1: length 7.7
  Top w0.15: Q1#8.3 72.68,14.31 72.29,13.92 71.84,13.92 71.55,13.64 71.55,11.24 72.09,10.7 72.2,10.7 ; C8#2.2 71.75,10.3 72.15,10.7 72.2,10.7 ; 72.2,10.7 73.06,10.7 73.36,10.4 74.25,10.4
Board_2-/B1': length 3.7
  Top w0.3: D3#8.3 71.55,20.25 ; 73.85,20.25 71.5,20.25 C19#6.2
Board_2-/B2: length 9.8
  Top w0.1: U1#3.45 75.75,9.55 75.45,9.25 73.75,9.25 C9#8.2
  Top w0.15: U1#3.45 75.75,10.45 75.43,10.77 75.43,10.77 75.3,10.9 75.3,14 75.6,14.3 75.6,14.81 75.84,15.05 76.2,15.05
Board_2-/B2': length 11.6
  Top w0.25: D3#8.6 73.5,22.2 73.5,27.5 73.78,27.77 76.1,27.77
  Top w0.3: C18#7.2 75.5,20.25 76.91,20.25 FB3#8.1
Board_2-/Clk: length 2.1
  Top w0.1: R3#3.1 71.6,3.35 71.95,3 U1#3.12
Board_2-/Diag1: length 15.8
  Top w0.15: R16#3.2 v1(82.75,2.6) 82.9,2.75 82.9,3.52 82.67,3.75 81.96,3.75 81.71,4 U1#3.27
  Bottom w0.15: T17#7.1 88.82,9.57 88.82,4.67 87.45,3.3 83.45,3.3 v1(82.75,2.6)
Board_2-/Dir: length 13.5
  Top w0.1: U1#3.18 76.75,2.3 77.07,2.62 77.43,2.62 77.55,2.5 80.5,2.5 v1(80.75,2.25)
  Bottom w0.15: T13#4.1 85.5,7 84.8,6.3 84.8,4.74 83.86,3.8 82.3,3.8 v1(80.75,2.25)
Board_2-/HA1: length 5.2
  Top w0.15: U1#3.41 77.75,10.54 78.7,11.49 78.7,11.49 79.3,12.09 79.3,13.74 79.74,14.17 79.94,14.17
Board_2-/HA2: length 7.6
  Top w0.15: Q7#4.4 83.45,13.87 83.45,11.23 82.75,10.53 82.75,9.98 82.52,9.75 81.98,9.75 81.75,9.52 81.75,8.72 81.53,8.5 U1#3.36
Board_2-/HB1: length 7.1
  Top w0.15: 72.25,8.5 72.25,9.51 72.01,9.75 71.49,9.75 71.28,9.96 71.28,10.54 71.4,10.66 71.4,11.03 71.3,11.13 71.3,13.74 72.01,14.45 Q1#8.4
Board_2-/HB2: length 4.8
  Top w0.15: U1#3.44 76.25,10.45 75.55,11.15 75.55,13.9 76,14.35
Board_2-/LA1: length 6.3
  Top w0.15: v1(78.85,12.3) 79.05,12.5 79.05,13.84 79.55,14.34 Q6#4.4 ; v1(79.4,11.2) 78.75,10.55 U1#3.39
  In2.Cu w0.15: v1(78.85,12.3) 79.4,11.75 v1(79.4,11.2)
Board_2-/LA2: length 8.9
  Top w0.15: Q8.4 83.35,15.32 83.35,14.48 82.95,14.08 82.95,11.44 82.46,10.95 79.8,10.95 79.62,10.77 79.57,10.77 79.43,10.63 79.43,10.63 79.25,10.45 U1#3.38